# KiCad board Soft_Power_Switch_panelized.kicad_pcb (continued)
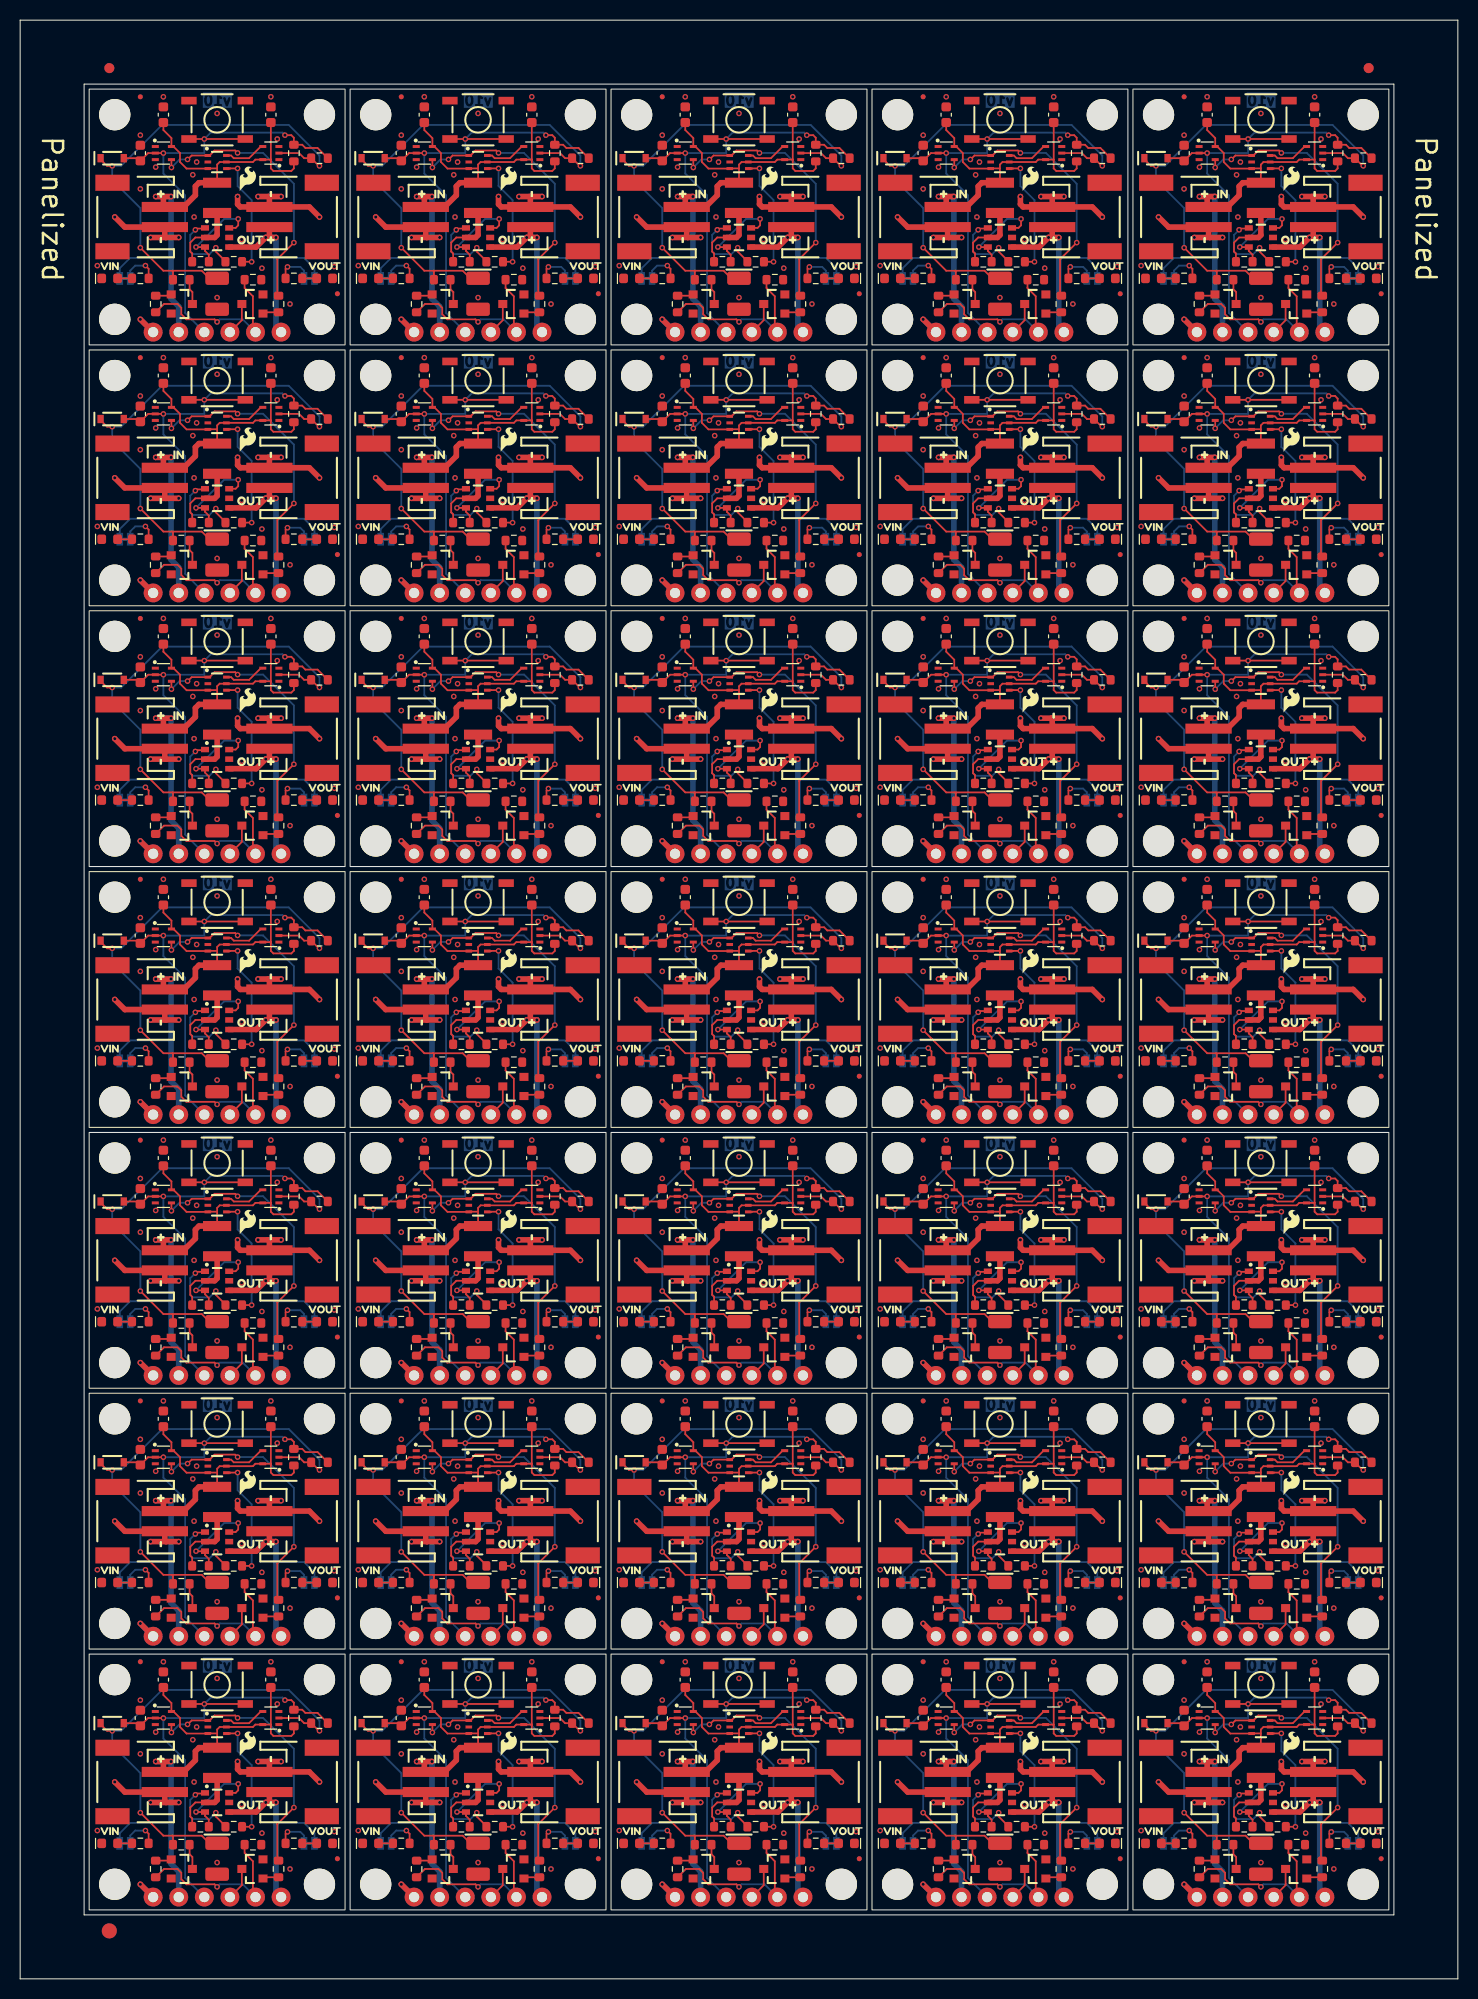
[diagram p0: board, top side]
## Routing (per net, layer and track width the routed paths; a pad name or vN(x,y) marks a point on that pad's centre or on a via; arc(x,y) is an arc through that point) (continued)
  vias: v1(7.66,170.12) v1(7.66,144.22) v1(7.66,118.32) v1(7.66,92.42) v1(7.66,66.52) v1(7.66,40.62) v1(7.66,14.72) v1(11.93,183.08) v1(11.93,177.74) v1(11.93,157.18) v1(11.93,151.84) v1(11.93,131.28) v1(11.93,125.94) v1(11.93,105.38) v1(11.93,100.04) v1(11.93,79.48) v1(11.93,74.14) v1(11.93,53.58) v1(11.93,48.24) v1(11.93,27.68) v1(11.93,22.34) v1(13.45,179.9) v1(13.45,154) v1(13.45,128.1) v1(13.45,102.2) v1(13.45,76.3) v1(13.45,50.4) v1(13.45,24.5) v1(14.22,186.89) v1(14.22,160.99) v1(14.22,135.09) v1(14.22,109.19) v1(14.22,83.29) v1(14.22,57.39) v1(14.22,31.49) v1(17.14,179.14) v1(17.14,153.24) v1(17.14,127.34) v1(17.14,101.44) v1(17.14,75.54) v1(17.14,49.64) v1(17.14,23.74) v1(17.26,174.95) v1(17.26,149.05) v1(17.26,123.15) v1(17.26,97.25) v1(17.26,71.35) v1(17.26,45.45) v1(17.26,19.55) v1(17.52,180.41) v1(17.52,154.51) v1(17.52,128.61) v1(17.52,102.71) v1(17.52,76.81) v1(17.52,50.91) v1(17.52,25.01) v1(19.55,185.24) v1(19.55,166.95) v1(19.55,159.34) v1(19.55,141.05) v1(19.55,133.44) v1(19.55,115.15) v1(19.55,107.54) v1(19.55,89.25) v1(19.55,81.64) v1(19.55,63.35) v1(19.55,55.74) v1(19.55,37.45) v1(19.55,29.84) v1(19.55,11.55) v1(21.99,172.71) v1(21.99,146.81) v1(21.99,120.91) v1(21.99,95.01) v1(21.99,69.11) v1(21.99,43.21) v1(21.99,17.31) v1(24,169.87) v1(24,143.97) v1(24,118.07) v1(24,92.17) v1(24,66.27) v1(24,40.37) v1(24,14.47) v1(24.88,186.89) v1(24.88,160.99) v1(24.88,135.09) v1(24.88,109.19) v1(24.88,83.29) v1(24.88,57.39) v1(24.88,31.49) v1(25.52,182.7) v1(25.52,156.8) v1(25.52,130.9) v1(25.52,105) v1(25.52,79.1) v1(25.52,53.2) v1(25.52,27.3) v1(26.79,166.31) v1(26.79,140.41) v1(26.79,114.51) v1(26.79,88.61) v1(26.79,62.71) v1(26.79,36.81) v1(26.79,10.91) v1(31.18,170.02) v1(31.18,144.12) v1(31.18,118.22) v1(31.18,92.32) v1(31.18,66.42) v1(31.18,40.52) v1(31.18,14.62) v1(33.56,170.12) v1(33.56,144.22) v1(33.56,118.32) v1(33.56,92.42) v1(33.56,66.52) v1(33.56,40.62) v1(33.56,14.72) v1(37.83,183.08) v1(37.83,177.74) v1(37.83,157.18) v1(37.83,151.84) v1(37.83,131.28) v1(37.83,125.94) v1(37.83,105.38) v1(37.83,100.04) v1(37.83,79.48) v1(37.83,74.14) v1(37.83,53.58) v1(37.83,48.24) v1(37.83,27.68) v1(37.83,22.34) v1(39.35,179.9) v1(39.35,154) v1(39.35,128.1) v1(39.35,102.2) v1(39.35,76.3) v1(39.35,50.4) v1(39.35,24.5) v1(40.12,186.89) v1(40.12,160.99) v1(40.12,135.09) v1(40.12,109.19) v1(40.12,83.29) v1(40.12,57.39) v1(40.12,31.49) v1(43.04,179.14) v1(43.04,153.24) v1(43.04,127.34) v1(43.04,101.44) v1(43.04,75.54) v1(43.04,49.64) v1(43.04,23.74) v1(43.16,174.95) v1(43.16,149.05) v1(43.16,123.15) v1(43.16,97.25) v1(43.16,71.35) v1(43.16,45.45) v1(43.16,19.55) v1(43.42,180.41) v1(43.42,154.51) v1(43.42,128.61) v1(43.42,102.71) v1(43.42,76.81) v1(43.42,50.91) v1(43.42,25.01) v1(45.45,185.24) v1(45.45,166.95) v1(45.45,159.34) v1(45.45,141.05) v1(45.45,133.44) v1(45.45,115.15) v1(45.45,107.54) v1(45.45,89.25) v1(45.45,81.64) v1(45.45,63.35) v1(45.45,55.74) v1(45.45,37.45) v1(45.45,29.84) v1(45.45,11.55) v1(47.89,172.71) v1(47.89,146.81) v1(47.89,120.91) v1(47.89,95.01) v1(47.89,69.11) v1(47.89,43.21) v1(47.89,17.31) v1(49.9,169.87) v1(49.9,143.97) v1(49.9,118.07) v1(49.9,92.17) v1(49.9,66.27) v1(49.9,40.37) v1(49.9,14.47) v1(50.78,186.89) v1(50.78,160.99) v1(50.78,135.09) v1(50.78,109.19) v1(50.78,83.29) v1(50.78,57.39) v1(50.78,31.49) v1(51.42,182.7) v1(51.42,156.8) v1(51.42,130.9) v1(51.42,105) v1(51.42,79.1) v1(51.42,53.2) v1(51.42,27.3) v1(52.69,166.31) v1(52.69,140.41) v1(52.69,114.51) v1(52.69,88.61) v1(52.69,62.71) v1(52.69,36.81) v1(52.69,10.91) v1(57.08,170.02) v1(57.08,144.12) v1(57.08,118.22) v1(57.08,92.32) v1(57.08,66.42) v1(57.08,40.52) v1(57.08,14.62) v1(59.46,170.12) v1(59.46,144.22) v1(59.46,118.32) v1(59.46,92.42) v1(59.46,66.52) v1(59.46,40.62) v1(59.46,14.72) v1(63.73,183.08) v1(63.73,177.74) v1(63.73,157.18) v1(63.73,151.84) v1(63.73,131.28) v1(63.73,125.94) v1(63.73,105.38) v1(63.73,100.04) v1(63.73,79.48) v1(63.73,74.14) v1(63.73,53.58) v1(63.73,48.24) v1(63.73,27.68) v1(63.73,22.34) v1(65.25,179.9) v1(65.25,154) v1(65.25,128.1) v1(65.25,102.2) v1(65.25,76.3) v1(65.25,50.4) v1(65.25,24.5) v1(66.02,186.89) v1(66.02,160.99) v1(66.02,135.09) v1(66.02,109.19) v1(66.02,83.29) v1(66.02,57.39) v1(66.02,31.49) v1(68.94,179.14) v1(68.94,153.24) v1(68.94,127.34) v1(68.94,101.44) v1(68.94,75.54) v1(68.94,49.64) v1(68.94,23.74) v1(69.06,174.95) v1(69.06,149.05) v1(69.06,123.15) v1(69.06,97.25) v1(69.06,71.35) v1(69.06,45.45) v1(69.06,19.55) v1(69.32,180.41) v1(69.32,154.51) v1(69.32,128.61) v1(69.32,102.71) v1(69.32,76.81) v1(69.32,50.91) v1(69.32,25.01) v1(71.35,185.24) v1(71.35,166.95) v1(71.35,159.34) v1(71.35,141.05) v1(71.35,133.44) v1(71.35,115.15) v1(71.35,107.54) v1(71.35,89.25) v1(71.35,81.64) v1(71.35,63.35) v1(71.35,55.74) v1(71.35,37.45) v1(71.35,29.84) v1(71.35,11.55) v1(73.79,172.71) v1(73.79,146.81) v1(73.79,120.91) v1(73.79,95.01) v1(73.79,69.11) v1(73.79,43.21) v1(73.79,17.31) v1(75.79,169.87) v1(75.79,143.97) v1(75.79,118.07) v1(75.79,92.17) v1(75.79,66.27) v1(75.79,40.37) v1(75.79,14.47) v1(76.68,186.89) v1(76.68,160.99) v1(76.68,135.09) v1(76.68,109.19) v1(76.68,83.29) v1(76.68,57.39) v1(76.68,31.49) v1(77.32,182.7) v1(77.32,156.8) v1(77.32,130.9) v1(77.32,105) v1(77.32,79.1) v1(77.32,53.2) v1(77.32,27.3) v1(78.59,166.31) v1(78.59,140.41) v1(78.59,114.51) v1(78.59,88.61) v1(78.59,62.71) v1(78.59,36.81) v1(78.59,10.91) v1(82.98,170.02) v1(82.98,144.12) v1(82.98,118.22) v1(82.98,92.32) v1(82.98,66.42) v1(82.98,40.52) v1(82.98,14.62) v1(85.36,170.12) v1(85.36,144.22) v1(85.36,118.32) v1(85.36,92.42) v1(85.36,66.52) v1(85.36,40.62) v1(85.36,14.72) v1(89.63,183.08) v1(89.63,177.74) v1(89.63,157.18) v1(89.63,151.84) v1(89.63,131.28) v1(89.63,125.94) v1(89.63,105.38) v1(89.63,100.04) v1(89.63,79.48) v1(89.63,74.14) v1(89.63,53.58) v1(89.63,48.24) v1(89.63,27.68) v1(89.63,22.34) v1(91.15,179.9) v1(91.15,154) v1(91.15,128.1) v1(91.15,102.2) v1(91.15,76.3) v1(91.15,50.4) v1(91.15,24.5) v1(91.92,186.89) v1(91.92,160.99) v1(91.92,135.09) v1(91.92,109.19) v1(91.92,83.29) v1(91.92,57.39) v1(91.92,31.49) v1(94.84,179.14) v1(94.84,153.24) v1(94.84,127.34) v1(94.84,101.44) v1(94.84,75.54) v1(94.84,49.64) v1(94.84,23.74) v1(94.96,174.95) v1(94.96,149.05) v1(94.96,123.15) v1(94.96,97.25) v1(94.96,71.35) v1(94.96,45.45) v1(94.96,19.55) v1(95.22,180.41) v1(95.22,154.51) v1(95.22,128.61) v1(95.22,102.71) v1(95.22,76.81) v1(95.22,50.91) v1(95.22,25.01) v1(97.25,185.24) v1(97.25,166.95) v1(97.25,159.34) v1(97.25,141.05) v1(97.25,133.44) v1(97.25,115.15) v1(97.25,107.54) v1(97.25,89.25) v1(97.25,81.64) v1(97.25,63.35) v1(97.25,55.74) v1(97.25,37.45) v1(97.25,29.84) v1(97.25,11.55) v1(99.69,172.71) v1(99.69,146.81) v1(99.69,120.91) v1(99.69,95.01) v1(99.69,69.11) v1(99.69,43.21) v1(99.69,17.31) v1(101.69,169.87) v1(101.69,143.97) v1(101.69,118.07) v1(101.69,92.17) v1(101.69,66.27) v1(101.69,40.37) v1(101.69,14.47) v1(102.58,186.89) v1(102.58,160.99) v1(102.58,135.09) v1(102.58,109.19) v1(102.58,83.29) v1(102.58,57.39) v1(102.58,31.49) v1(103.22,182.7) v1(103.22,156.8) v1(103.22,130.9) v1(103.22,105) v1(103.22,79.1) v1(103.22,53.2) v1(103.22,27.3) v1(104.49,166.31) v1(104.49,140.41) v1(104.49,114.51) v1(104.49,88.61) v1(104.49,62.71) v1(104.49,36.81) v1(104.49,10.91) v1(108.88,170.02) v1(108.88,144.12) v1(108.88,118.22) v1(108.88,92.32) v1(108.88,66.42) v1(108.88,40.52) v1(108.88,14.62) v1(111.26,170.12) v1(111.26,144.22) v1(111.26,118.32) v1(111.26,92.42) v1(111.26,66.52) v1(111.26,40.62) v1(111.26,14.72) v1(115.53,183.08) v1(115.53,177.74) v1(115.53,157.18) v1(115.53,151.84) v1(115.53,131.28) v1(115.53,125.94) v1(115.53,105.38) v1(115.53,100.04) v1(115.53,79.48) v1(115.53,74.14) v1(115.53,53.58) v1(115.53,48.24) v1(115.53,27.68) v1(115.53,22.34) v1(117.05,179.9) v1(117.05,154) v1(117.05,128.1) v1(117.05,102.2) v1(117.05,76.3) v1(117.05,50.4) v1(117.05,24.5) v1(117.82,186.89) v1(117.82,160.99) v1(117.82,135.09) v1(117.82,109.19) v1(117.82,83.29) v1(117.82,57.39) v1(117.82,31.49) v1(120.74,179.14) v1(120.74,153.24) v1(120.74,127.34) v1(120.74,101.44) v1(120.74,75.54) v1(120.74,49.64) v1(120.74,23.74) v1(120.86,174.95) v1(120.86,149.05) v1(120.86,123.15) v1(120.86,97.25) v1(120.86,71.35) v1(120.86,45.45) v1(120.86,19.55) v1(121.12,180.41) v1(121.12,154.51) v1(121.12,128.61) v1(121.12,102.71) v1(121.12,76.81) v1(121.12,50.91) v1(121.12,25.01) v1(123.15,185.24) v1(123.15,166.95) v1(123.15,159.34) v1(123.15,141.05) v1(123.15,133.44) v1(123.15,115.15) v1(123.15,107.54) v1(123.15,89.25) v1(123.15,81.64) v1(123.15,63.35) v1(123.15,55.74) v1(123.15,37.45) v1(123.15,29.84) v1(123.15,11.55) v1(125.59,172.71) v1(125.59,146.81) v1(125.59,120.91) v1(125.59,95.01) v1(125.59,69.11) v1(125.59,43.21) v1(125.59,17.31) v1(127.59,169.87) v1(127.59,143.97) v1(127.59,118.07) v1(127.59,92.17) v1(127.59,66.27) v1(127.59,40.37) v1(127.59,14.47) v1(128.48,186.89) v1(128.48,160.99) v1(128.48,135.09) v1(128.48,109.19) v1(128.48,83.29) v1(128.48,57.39) v1(128.48,31.49) v1(129.12,182.7) v1(129.12,156.8) v1(129.12,130.9) v1(129.12,105) v1(129.12,79.1) v1(129.12,53.2) v1(129.12,27.3) v1(130.39,166.31) v1(130.39,140.41) v1(130.39,114.51) v1(130.39,88.61) v1(130.39,62.71) v1(130.39,36.81) v1(130.39,10.91) v1(134.78,170.02) v1(134.78,144.12) v1(134.78,118.22) v1(134.78,92.32) v1(134.78,66.42) v1(134.78,40.52) v1(134.78,14.62)
VIN: length 1922.6
  Top w0.178: 50.78,102.97 50.77,102.95 U3#21.5 49.25,102.95 49.01,102.71 U4#9.5 45.7,102.71 45.45,102.46 F1#17.2 ; 50.78,102.97 50.78,102.08 51.04,101.82 52.82,101.82 53.07,102.08 R1#22.1 ; 50.78,102.97 50.78,106.64 ; 102.58,77.06 102.57,77.05 U3#32.5 101.04,77.05 100.81,76.81 U4#33.5 97.5,76.81 97.25,76.56 F1#7.2 ; 102.58,77.06 102.58,76.18 102.84,75.92 104.62,75.92 104.87,76.18 R1#24.1 ; 102.58,77.06 102.58,80.73 ; 97.25,127.98 96.34,127.98 U4#32.3 94.22,127.96 93.57,128.61 93.57,129.5 92.92,130.15 U2#3.5 92.72,130.99 91.92,131.79 C3#23.1 ; 123.15,24.38 122.25,24.38 122.23,24.36 120.12,24.36 119.47,25.01 119.47,25.9 118.82,26.55 U2#25.5 118.62,27.39 117.82,28.19 C3#27.1 ; 76.68,154.76 C4#10.1 ; 76.68,154.76 76.67,154.75 U3#14.5 75.15,154.75 74.91,154.51 U4#28.5 71.6,154.51 71.35,154.26 F1#32.2 ; 76.68,154.76 76.68,153.88 76.94,153.62 78.72,153.62 78.97,153.88 R1#33.1 ; 123.15,127.98 122.25,127.98 U4#21.3 120.12,127.96 119.47,128.61 119.47,129.5 118.82,130.15 U2#28.5 118.62,130.99 117.82,131.79 C3.1 ; 117.82,80.73 117.82,79.99 118.62,79.19 U2#4.5 118.82,78.35 119.47,77.7 119.47,76.81 120.12,76.16 U4#7.3 122.25,76.18 123.15,76.18 ; R1#2.1 27.17,179.78 26.92,179.52 25.14,179.52 24.88,179.78 24.88,180.66 ; 24.88,154.76 24.88,153.88 25.14,153.62 26.92,153.62 27.17,153.88 R1#21.1 ; 24.88,154.76 24.87,154.75 U3#10.5 23.34,154.75 23.11,154.51 U4#15.5 19.8,154.51 19.55,154.26 F1#35.2 ; 24.88,154.76 C4#25.1 ; F1#22.2 19.55,128.36 19.8,128.61 U4#20.5 23.11,128.61 23.34,128.85 U3#23.5 24.87,128.85 24.88,128.87 ; R1#31.1 78.97,127.98 78.72,127.72 76.94,127.72 76.68,127.98 76.68,128.87 ; 128.48,128.87 C4#23.1 ; 128.48,128.87 128.47,128.85 U3#26.5 126.94,128.85 126.71,128.61 U4#21.5 123.4,128.61 123.15,128.36 F1#31.2 ; 128.48,128.87 128.48,127.98 128.74,127.72 130.52,127.72 130.77,127.98 R1#11.1 ; 102.58,25.27 C4#7.1 ; 102.58,25.27 102.58,24.38 102.84,24.12 104.62,24.12 104.87,24.38 R1#16.1 ; 102.58,25.27 102.57,25.25 U3#16.5 101.04,25.25 100.81,25.01 U4#5.5 97.5,25.01 97.25,24.76 F1#27.2 ; R1#15.1 78.97,50.28 78.72,50.02 76.94,50.02 76.68,50.28 76.68,51.17 ; 128.48,102.97 128.47,102.95 U3#9.5 126.94,102.95 126.71,102.71 U4#4.5 123.4,102.71 123.15,102.46 F1#34.2 ; 128.48,102.97 128.48,102.08 128.74,101.82 130.52,101.82 130.77,102.08 R1#12.1 ; 128.48,102.97 128.48,106.64 ; C3#11.1 91.92,54.09 92.72,53.29 U2#18.5 92.92,52.45 93.57,51.8 93.57,50.91 94.22,50.26 U4#18.3 96.34,50.28 97.25,50.28 ; 76.68,180.66 C4#18.1 ; 76.68,180.66 76.68,179.78 76.94,179.52 78.72,179.52 78.97,179.78 R1#23.1 ; 76.68,180.66 76.67,180.65 U3#13.5 75.15,180.65 74.91,180.41 U4#6.5 71.6,180.41 71.35,180.16 F1#8.2 ; 128.48,25.27 128.47,25.25 U3#30.5 126.94,25.25 126.71,25.01 U4#8.5 123.4,25.01 123.15,24.76 F1#11.2 ; 128.48,25.27 C4#35.1 ; 128.48,25.27 128.48,24.38 128.74,24.12 130.52,24.12 130.77,24.38 R1#18.1 ; 50.78,51.17 50.77,51.15 U3#5.5 49.25,51.15 49.01,50.91 U4#17.5 45.7,50.91 45.45,50.66 F1#15.2 ; 50.78,51.17 50.78,50.28 51.04,50.02 52.82,50.02 53.07,50.28 R1#13.1 ; 50.78,51.17 C4#4.1 ; F1#25.2 19.55,180.16 19.8,180.41 U4#30.5 23.11,180.41 23.34,180.65 U3#29.5 24.87,180.65 24.88,180.66 ; 50.78,77.06 50.78,76.18 51.04,75.92 52.82,75.92 53.07,76.18 R1#35.1 ; 50.78,77.06 50.78,80.73 ; 50.78,77.06 50.77,77.05 U3#27.5 49.25,77.05 49.01,76.81 U4#26.5 45.7,76.81 45.45,76.56 F1#3.2 ; C3#34.1 40.12,54.09 40.92,53.29 U2#34.5 41.12,52.45 41.77,51.8 41.77,50.91 42.42,50.26 U4#17.3 44.54,50.28 45.45,50.28 ; 76.68,51.17 76.67,51.15 U3#7.5 75.15,51.15 74.91,50.91 U4.5 71.6,50.91 71.35,50.66 F1#26.2 ; 76.68,51.17 C4.1 ; R1#6.1 78.97,102.08 78.72,101.82 76.94,101.82 76.68,102.08 76.68,102.97 ; F1#10.2 123.15,154.26 123.4,154.51 U4#12.5 126.71,154.51 126.94,154.75 U3#11.5 128.47,154.75 128.48,154.76 ; 102.58,128.87 102.58,127.98 102.84,127.72 104.62,127.72 104.87,127.98 R1#19.1 ; 102.58,128.87 C4#21.1 ; 102.58,128.87 102.57,128.85 U3#6.5 101.04,128.85 100.81,128.61 U4#32.5 97.5,128.61 97.25,128.36 F1#30.2 ; F1#18.2 71.35,76.56 71.6,76.81 U4#16.5 74.91,76.81 75.15,77.05 U3#15.5 76.67,77.05 76.68,77.06 ; 24.88,128.87 24.88,127.98 25.14,127.72 26.92,127.72 27.17,127.98 R1#8.1 ; 24.88,128.87 C4#26.1 ; C3#32.1 117.82,157.69 118.62,156.89 U2#6.5 118.82,156.05 119.47,155.4 119.47,154.51 120.12,153.86 U4#12.3 122.25,153.88 123.15,153.88 ; 76.68,102.97 76.67,102.95 U3#33.5 75.15,102.95 74.91,102.71 U4#34.5 71.6,102.71 71.35,102.46 F1#5.2 ; 76.68,102.97 76.68,106.64 ; R1#32.1 53.07,179.78 52.82,179.52 51.04,179.52 50.78,179.78 50.78,180.66 ; 97.25,102.08 96.34,102.08 U4#23.3 94.22,102.06 93.57,102.71 93.57,103.6 92.92,104.25 U2#15.5 92.72,105.09 91.92,105.89 91.92,106.64 ; F1#12.2 97.25,102.46 97.5,102.71 U4#23.5 100.81,102.71 101.04,102.95 U3#17.5 102.57,102.95 102.58,102.97 ; F1#24.2 45.45,24.76 45.7,25.01 U4#29.5 49.01,25.01 49.25,25.25 U3#22.5 50.77,25.25 50.78,25.27 ; C3#7.1 91.92,183.59 92.72,182.79 U2#27.5 92.92,181.95 93.57,181.3 93.57,180.41 94.22,179.76 U4#3.3 96.34,179.78 97.25,179.78 ; 76.68,25.27 C4#33.1 ; 76.68,25.27 76.68,24.38 76.94,24.12 78.72,24.12 78.97,24.38 R1#4.1 ; 76.68,25.27 76.67,25.25 U3#18.5 75.15,25.25 74.91,25.01 U4#14.5 71.6,25.01 71.35,24.76 F1#6.2 ; F1#28.2 97.25,50.66 97.5,50.91 U4#18.5 100.81,50.91 101.04,51.15 U3#12.5 102.57,51.15 102.58,51.17 ; 128.48,51.17 C4#27.1 ; 128.48,51.17 128.48,50.28 128.74,50.02 130.52,50.02 130.77,50.28 R1#9.1 ; 128.48,51.17 128.47,51.15 U3#24.5 126.94,51.15 126.71,50.91 U4#2.5 123.4,50.91 123.15,50.66 F1#13.2 ; 128.48,77.06 128.48,76.18 128.74,75.92 130.52,75.92 130.77,76.18 R1#7.1 ; 128.48,77.06 128.47,77.05 U3#28.5 126.94,77.05 126.71,76.81 U4#7.5 123.4,76.81 123.15,76.56 F1#4.2 ; 128.48,77.06 128.48,80.73 ; C3#10.1 14.22,54.09 15.02,53.29 U2#8.5 15.22,52.45 15.87,51.8 15.87,50.91 16.52,50.26 U4#25.3 18.64,50.28 19.55,50.28 ; F1#9.2 45.45,154.26 45.7,154.51 U4#11.5 49.01,154.51 49.25,154.75 U3#34.5 50.77,154.75 50.78,154.76 ; F1#20.2 45.45,180.16 45.7,180.41 U4#31.5 49.01,180.41 49.25,180.65 U3#35.5 50.77,180.65 50.78,180.66 ; C3#25.1 117.82,54.09 118.62,53.29 U2#2.5 118.82,52.45 119.47,51.8 119.47,50.91 120.12,50.26 U4#2.3 122.25,50.28 123.15,50.28 ; 76.68,128.87 C4#3.1 ; 76.68,128.87 76.67,128.85 U3#2.5 75.15,128.85 74.91,128.61 U4#27.5 71.6,128.61 71.35,128.36 F1#19.2 ; 24.88,77.06 24.88,76.18 25.14,75.92 26.92,75.92 27.17,76.18 R1#29.1 ; 24.88,77.06 24.87,77.05 U3#31.5 23.34,77.05 23.11,76.81 U4#10.5 19.8,76.81 19.55,76.56 F1#29.2 ; 24.88,77.06 24.88,80.73 ; 102.58,102.97 102.58,102.08 102.84,101.82 104.62,101.82 104.87,102.08 R1#27.1 ; 102.58,102.97 102.58,106.64 ; 128.48,154.76 128.48,153.88 128.74,153.62 130.52,153.62 130.77,153.88 R1#17.1 ; 128.48,154.76 C4#22.1 ; 50.78,180.66 C4#8.1 ; 40.12,80.73 40.12,79.99 40.92,79.19 U2#10.5 41.12,78.35 41.77,77.7 41.77,76.81 42.42,76.16 U4#26.3 44.54,76.18 45.45,76.18 ; R1#3.1 27.17,24.38 26.92,24.12 25.14,24.12 24.88,24.38 24.88,25.27 ; R1#30.1 53.07,24.38 52.82,24.12 51.04,24.12 50.78,24.38 50.78,25.27 ; 71.35,24.38 70.44,24.38 70.43,24.36 68.32,24.36 67.67,25.01 67.67,25.9 67.02,26.55 U2#11.5 66.82,27.39 66.02,28.19 C3#20.1 ; 66.02,80.73 66.02,79.99 66.82,79.19 U2#19.5 67.02,78.35 67.67,77.7 67.67,76.81 68.32,76.16 U4#16.3 70.44,76.18 71.35,76.18 ; 71.35,127.98 70.44,127.98 U4#27.3 68.32,127.96 67.67,128.61 67.67,129.5 67.02,130.15 U2#21.5 66.82,130.99 66.02,131.79 C3#14.1 ; C3#31.1 14.22,183.59 15.02,182.79 U2#5.5 15.22,181.95 15.87,181.3 15.87,180.41 16.52,179.76 U4#30.3 18.64,179.78 19.55,179.78 ; C3#5.1 66.02,157.69 66.82,156.89 U2#24.5 67.02,156.05 67.67,155.4 67.67,154.51 68.32,153.86 U4#28.3 70.44,153.88 71.35,153.88 ; 24.88,51.17 24.87,51.15 U3#8.5 23.34,51.15 23.11,50.91 U4#25.5 19.8,50.91 19.55,50.66 F1#21.2 ; 24.88,51.17 24.88,50.28 25.14,50.02 26.92,50.02 27.17,50.28 R1#25.1 ; 24.88,51.17 C4#9.1 ; 19.55,153.88 18.64,153.88 U4#15.3 16.52,153.86 15.87,154.51 15.87,155.4 15.22,156.05 U2#12.5 15.02,156.89 14.22,157.69 C3#18.1 ; 123.15,179.78 122.25,179.78 U4#35.3 120.12,179.76 119.47,180.41 119.47,181.3 118.82,181.95 U2#20.5 118.62,182.79 117.82,183.59 C3#4.1 ; 19.55,127.98 18.64,127.98 U4#20.3 16.52,127.96 15.87,128.61 15.87,129.5 15.22,130.15 U2#33.5 15.02,130.99 14.22,131.79 C3#13.1 ; 66.02,106.64 66.02,105.89 66.82,105.09 U2#13.5 67.02,104.25 67.67,103.6 67.67,102.71 68.32,102.06 U4#34.3 70.44,102.08 71.35,102.08 ; 50.78,154.76 C4#13.1 ; 50.78,154.76 50.78,153.88 51.04,153.62 52.82,153.62 53.07,153.88 R1#34.1 ; 102.58,154.76 C4#30.1 ; 102.58,154.76 102.58,153.88 102.84,153.62 104.62,153.62 104.87,153.88 R1#14.1 ; 102.58,154.76 102.57,154.75 U3#19.5 101.04,154.75 100.81,154.51 U4#19.5 97.5,154.51 97.25,154.26 F1#16.2 ; R1#20.1 130.77,179.78 130.52,179.52 128.74,179.52 128.48,179.78 128.48,180.66 ; C3#24.1 66.02,54.09 66.82,53.29 U2#30.5 67.02,52.45 67.67,51.8 67.67,50.91 68.32,50.26 U4.3 70.44,50.28 71.35,50.28 ; 102.58,51.17 C4#12.1 ; 102.58,51.17 102.58,50.28 102.84,50.02 104.62,50.02 104.87,50.28 R1#10.1 ; 97.25,24.38 96.34,24.38 96.33,24.36 94.22,24.36 93.57,25.01 93.57,25.9 92.92,26.55 U2#7.5 92.72,27.39 91.92,28.19 C3#3.1 ; 50.78,25.27 C4#24.1 ; 24.88,25.27 24.87,25.25 U3#25.5 23.34,25.25 23.11,25.01 U4#24.5 19.8,25.01 19.55,24.76 F1#33.2 ; 24.88,25.27 C4#11.1 ; 97.25,76.18 96.34,76.18 U4#33.3 94.22,76.16 93.57,76.81 93.57,77.7 92.92,78.35 U2#9.5 92.72,79.19 91.92,79.99 91.92,80.73 ; 123.15,102.08 122.25,102.08 U4#4.3 120.12,102.06 119.47,102.71 119.47,103.6 118.82,104.25 U2#22.5 118.62,105.09 117.82,105.89 117.82,106.64 ; C3#35.1 66.02,183.59 66.82,182.79 U2#16.5 67.02,181.95 67.67,181.3 67.67,180.41 68.32,179.76 U4#6.3 70.44,179.78 71.35,179.78 ; 45.45,24.38 44.54,24.38 44.53,24.36 42.42,24.36 41.77,25.01 41.77,25.9 41.12,26.55 U2#14.5 40.92,27.39 40.12,28.19 C3#29.1 ; 45.45,153.88 44.54,153.88 U4#11.3 42.42,153.86 41.77,154.51 41.77,155.4 41.12,156.05 U2#29.5 40.92,156.89 40.12,157.69 C3#28.1 ; 45.45,179.78 44.54,179.78 U4#31.3 42.42,179.76 41.77,180.41 41.77,181.3 41.12,181.95 U2#32.5 40.92,182.79 40.12,183.59 C3#9.1 ; 19.55,24.38 18.64,24.38 18.63,24.36 16.52,24.36 15.87,25.01 15.87,25.9 15.22,26.55 U2.5 15.02,27.39 14.22,28.19 C3#33.1 ; 40.12,106.64 40.12,105.89 40.92,105.09 U2#17.5 41.12,104.25 41.77,103.6 41.77,102.71 42.42,102.06 U4#9.3 44.54,102.08 45.45,102.08 ; F1.2 45.45,128.36 45.7,128.61 U4#22.5 49.01,128.61 49.25,128.85 U3.5 50.77,128.85 50.78,128.87 ; 24.88,102.97 24.87,102.95 U3#3.5 23.34,102.95 23.11,102.71 U4#13.5 19.8,102.71 19.55,102.46 F1#2.2 ; 24.88,102.97 24.88,102.08 25.14,101.82 26.92,101.82 27.17,102.08 R1#28.1 ; 24.88,102.97 24.88,106.64 ; 19.55,102.08 18.64,102.08 U4#13.3 16.52,102.06 15.87,102.71 15.87,103.6 15.22,104.25 U2#31.5 15.02,105.09 14.22,105.89 14.22,106.64 ; 76.68,77.06 76.68,80.73 ; 76.68,77.06 76.68,76.18 76.94,75.92 78.72,75.92 78.97,76.18 R1#26.1 ; R1.1 53.07,127.98 52.82,127.72 51.04,127.72 50.78,127.98 50.78,128.87 ; C3#30.1 91.92,157.69 92.72,156.89 U2#23.5 92.92,156.05 93.57,155.4 93.57,154.51 94.22,153.86 U4#19.3 96.34,153.88 97.25,153.88 ; F1#23.2 97.25,180.16 97.5,180.41 U4#3.5 100.81,180.41 101.04,180.65 U3#4.5 102.57,180.65 102.58,180.66 ; 24.88,180.66 C4#29.1 ; R1#5.1 104.87,179.78 104.62,179.52 102.84,179.52 102.58,179.78 102.58,180.66 ; 50.78,128.87 C4#20.1 ; 128.48,180.66 128.47,180.65 U3#20.5 126.94,180.65 126.71,180.41 U4#35.5 123.4,180.41 123.15,180.16 F1#14.2 ; 128.48,180.66 C4#31.1 ; 102.58,180.66 C4#16.1 ; 45.45,127.98 44.54,127.98 U4#22.3 42.42,127.96 41.77,128.61 41.77,129.5 41.12,130.15 U2#35.5 40.92,130.99 40.12,131.79 C3#2.1 ; 14.22,80.73 14.22,79.99 15.02,79.19 U2#26.5 15.22,78.35 15.87,77.7 15.87,76.81 16.52,76.16 U4#10.3 18.64,76.18 19.55,76.18
  Top w0.559: F1#5.2 69.55,100.66 69.19,100.3 69.19,99.41 68.03,98.25 J1#23.2 66.02,98.39 66.02,99.28 ; 91.92,125.18 v1(92.68,125.18) ; 91.92,125.18 v1(91.15,125.18) ; 91.92,125.18 91.92,124.29 J1#3.2 93.93,124.15 95.09,125.31 95.09,126.2 95.45,126.56 F1#30.2 ; 14.22,21.58 14.22,20.69 J1#21.2 16.23,20.55 17.39,21.71 17.39,22.6 17.75,22.95 F1#33.2 ; 14.22,21.58 v1(13.45,21.58) ; 14.22,21.58 v1(14.98,21.58) ; F1#16.2 95.45,152.46 95.09,152.1 95.09,151.21 93.93,150.05 J1#28.2 91.92,150.19 91.92,151.08 ; 14.22,99.28 v1(14.98,99.28) ; 14.22,99.28 v1(13.45,99.28) ; 14.22,99.28 14.22,98.39 J1#5.2 16.23,98.25 17.39,99.41 17.39,100.3 17.75,100.66 F1#2.2 ; F1#18.2 69.55,74.75 69.19,74.4 69.19,73.51 68.03,72.35 J1.2 66.02,72.49 66.02,73.38 ; F1#9.2 43.65,152.46 43.29,152.1 43.29,151.21 42.13,150.05 J1#4.2 40.12,150.19 40.12,151.08 ; 14.22,125.18 v1(14.98,125.18) ; 14.22,125.18 v1(13.45,125.18) ; 14.22,125.18 14.22,124.29 J1#30.2 16.23,124.15 17.39,125.31 17.39,126.2 17.75,126.56 F1#22.2 ; F1#26.2 69.55,48.86 69.19,48.5 69.19,47.61 68.03,46.45 J1#18.2 66.02,46.59 66.02,47.48 ; 40.12,125.18 40.12,124.29 J1#19.2 42.13,124.15 43.29,125.31 43.29,126.2 43.65,126.56 F1.2 ; 40.12,125.18 v1(40.88,125.18) ; 40.12,125.18 v1(39.35,125.18) ; 91.92,99.28 v1(92.68,99.28) ; 91.92,99.28 v1(91.15,99.28) ; 91.92,99.28 91.92,98.39 J1#35.2 93.93,98.25 95.09,99.41 95.09,100.3 95.45,100.66 F1#12.2 ; v1(65.25,125.18) 66.02,125.18 ; 66.02,125.18 66.02,124.29 J1#13.2 68.03,124.15 69.19,125.31 69.19,126.2 69.55,126.56 F1#19.2 ; 66.02,125.18 v1(66.78,125.18) ; F1#8.2 69.55,178.36 69.19,178 69.19,177.11 68.03,175.95 J1#17.2 66.02,176.09 66.02,176.98 ; v1(39.35,176.98) 40.12,176.98 ; 40.12,176.98 v1(40.88,176.98) ; 40.12,176.98 40.12,176.09 J1#29.2 42.13,175.95 43.29,177.11 43.29,178 43.65,178.36 F1#20.2 ; v1(117.05,176.98) 117.82,176.98 ; 117.82,176.98 v1(118.58,176.98) ; 117.82,176.98 117.82,176.09 J1#20.2 119.83,175.95 120.99,177.11 120.99,178 121.35,178.36 F1#14.2 ; v1(39.35,151.08) 40.12,151.08 ; 40.12,151.08 v1(40.88,151.08) ; 40.12,47.48 40.12,46.59 J1#11.2 42.13,46.45 43.29,47.61 43.29,48.5 43.65,48.86 F1#15.2 ; 40.12,47.48 v1(39.35,47.48) ; 40.12,47.48 v1(40.88,47.48) ; 117.82,47.48 117.82,46.59 J1#25.2 119.83,46.45 120.99,47.61 120.99,48.5 121.35,48.86 F1#13.2 ; 117.82,47.48 v1(117.05,47.48) ; 117.82,47.48 v1(118.58,47.48) ; v1(39.35,21.58) 40.12,21.58 ; 40.12,21.58 40.12,20.69 J1#22.2 42.13,20.55 43.29,21.71 43.29,22.6 43.65,22.95 F1#24.2 ; 40.12,21.58 v1(40.88,21.58) ; F1#6.2 69.55,22.95 69.19,22.6 69.19,21.71 68.03,20.55 J1#24.2 66.02,20.69 66.02,21.58 ; 66.02,151.08 v1(66.78,151.08) ; 66.02,151.08 66.02,150.19 J1#6.2 68.03,150.05 69.19,151.21 69.19,152.1 69.55,152.46 F1#32.2 ; 66.02,151.08 v1(65.25,151.08) ; 66.02,21.58 v1(66.78,21.58) ; 66.02,21.58 v1(65.25,21.58) ; 91.92,176.98 91.92,176.09 J1#32.2 93.93,175.95 95.09,177.11 95.09,178 95.45,178.36 F1#23.2 ; 91.92,176.98 v1(91.15,176.98) ; 91.92,176.98 v1(92.68,176.98) ; F1#31.2 121.35,126.56 120.99,126.2 120.99,125.31 119.83,124.15 J1#33.2 117.82,124.29 117.82,125.18 ; v1(91.15,47.48) 91.92,47.48 ; 91.92,47.48 91.92,46.59 J1#31.2 93.93,46.45 95.09,47.61 95.09,48.5 95.45,48.86 F1#28.2 ; 91.92,47.48 v1(92.68,47.48) ; 14.22,176.98 v1(14.98,176.98) ; 14.22,176.98 v1(13.45,176.98) ; 14.22,176.98 14.22,176.09 J1#2.2 16.23,175.95 17.39,177.11 17.39,178 17.75,178.36 F1#25.2 ; v1(13.45,47.48) 14.22,47.48 ; 14.22,47.48 14.22,46.59 J1#14.2 16.23,46.45 17.39,47.61 17.39,48.5 17.75,48.86 F1#21.2 ; 14.22,47.48 v1(14.98,47.48) ; v1(39.35,73.38) 40.12,73.38 ; 40.12,73.38 v1(40.88,73.38) ; 40.12,73.38 40.12,72.49 J1#12.2 42.13,72.35 43.29,73.51 43.29,74.4 43.65,74.75 F1#3.2 ; 91.92,73.38 91.92,72.49 J1#10.2 93.93,72.35 95.09,73.51 95.09,74.4 95.45,74.75 F1#7.2 ; 91.92,73.38 v1(91.15,73.38) ; 91.92,73.38 v1(92.68,73.38) ; 91.92,21.58 v1(92.68,21.58) ; 91.92,21.58 91.92,20.69 J1#27.2 93.93,20.55 95.09,21.71 95.09,22.6 95.45,22.95 F1#27.2 ; 91.92,21.58 v1(91.15,21.58) ; 117.82,151.08 v1(118.58,151.08) ; 117.82,151.08 v1(117.05,151.08) ; 117.82,151.08 117.82,150.19 J1#9.2 119.83,150.05 120.99,151.21 120.99,152.1 121.35,152.46 F1#10.2 ; v1(65.25,47.48) 66.02,47.48 ; 66.02,47.48 v1(66.78,47.48) ; 40.12,99.28 40.12,98.39 J1#8.2 42.13,98.25 43.29,99.41 43.29,100.3 43.65,100.66 F1#17.2 ; 40.12,99.28 v1(40.88,99.28) ; 40.12,99.28 v1(39.35,99.28) ; 91.92,151.08 v1(92.68,151.08) ; 91.92,151.08 v1(91.15,151.08) ; F1#4.2 121.35,74.75 120.99,74.4 120.99,73.51 119.83,72.35 J1#26.2 117.82,72.49 117.82,73.38 ; F1#35.2 17.75,152.46 17.39,152.1 17.39,151.21 16.23,150.05 J1#16.2 14.22,150.19 14.22,151.08 ; F1#11.2 121.35,22.95 120.99,22.6 120.99,21.71 119.83,20.55 J1#34.2 117.82,20.69 117.82,21.58 ; 117.82,73.38 v1(117.05,73.38) ; 117.82,73.38 v1(118.58,73.38) ; 66.02,176.98 v1(66.78,176.98) ; 66.02,176.98 v1(65.25,176.98) ; 14.22,73.38 v1(14.98,73.38) ; 14.22,73.38 v1(13.45,73.38) ; 14.22,73.38 14.22,72.49 J1#7.2 16.23,72.35 17.39,73.51 17.39,74.4 17.75,74.75 F1#29.2 ; 14.22,151.08 v1(13.45,151.08) ; 14.22,151.08 v1(14.98,151.08) ; v1(117.05,99.28) 117.82,99.28 ; 117.82,99.28 v1(118.58,99.28) ; 117.82,99.28 117.82,98.39 J1#15.2 119.83,98.25 120.99,99.41 120.99,100.3 121.35,100.66 F1#34.2 ; v1(117.05,21.58) 117.82,21.58 ; 117.82,21.58 v1(118.58,21.58) ; v1(65.25,99.28) 66.02,99.28 ; 66.02,99.28 v1(66.78,99.28) ; 66.02,73.38 v1(65.25,73.38) ; 66.02,73.38 v1(66.78,73.38) ; 117.82,125.18 v1(117.05,125.18) ; 117.82,125.18 v1(118.58,125.18)
  Bottom w0.178: 92.68,41.39 88.61,41.39 87.59,40.36 JP1#12.2 ; JP1#34.2 35.79,66.26 36.81,67.29 40.88,67.29 ; JP1#33.2 113.49,92.16 114.51,93.19 118.58,93.19 ; JP1#21.2 35.79,169.86 36.81,170.89 40.88,170.89 ; JP1#15.2 9.89,143.96 10.91,144.99 14.98,144.99 ; JP1#35.2 61.69,92.16 62.71,93.19 66.78,93.19 ; 92.68,119.09 88.61,119.09 87.59,118.06 JP1#27.2 ; 66.78,119.09 62.71,119.09 61.69,118.06 JP1#30.2 ; 14.98,93.19 10.91,93.19 9.89,92.16 JP1#16.2 ; 92.68,15.49 88.61,15.49 87.59,14.46 JP1#2.2 ; JP1.2 35.79,40.36 36.81,41.39 40.88,41.39 ; JP1#26.2 35.79,92.16 36.81,93.19 40.88,93.19 ; JP1#11.2 35.79,143.96 36.81,144.99 40.88,144.99 ; JP1#20.2 9.89,66.26 10.91,67.29 14.98,67.29 ; JP1#4.2 61.69,66.26 62.71,67.29 66.78,67.29 ; JP1#32.2 113.49,169.86 114.51,170.89 118.58,170.89 ; JP1#13.2 87.59,92.16 88.61,93.19 92.68,93.19 ; 118.58,119.09 114.51,119.09 113.49,118.06 JP1#19.2 ; JP1#14.2 113.49,14.46 114.51,15.49 118.58,15.49 ; JP1#3.2 9.89,169.86 10.91,170.89 14.98,170.89 ; JP1#5.2 87.59,169.86 88.61,170.89 92.68,170.89 ; JP1#23.2 35.79,118.06 36.81,119.09 40.88,119.09 ; 118.58,67.29 114.51,67.29 113.49,66.26 JP1#10.2 ; 66.78,144.99 62.71,144.99 61.69,143.96 JP1#7.2 ; JP1#9.2 61.69,169.86 62.71,170.89 66.78,170.89 ; 40.88,15.49 36.81,15.49 35.79,14.46 JP1#22.2 ; JP1#24.2 87.59,143.96 88.61,144.99 92.68,144.99 ; 14.98,119.09 10.91,119.09 9.89,118.06 JP1#17.2 ; JP1#25.2 61.69,14.46 62.71,15.49 66.78,15.49 ; JP1#18.2 9.89,14.46 10.91,15.49 14.98,15.49 ; 118.58,41.39 114.51,41.39 113.49,40.36 JP1#6.2 ; 66.78,41.39 62.71,41.39 61.69,40.36 JP1#8.2 ; JP1#31.2 9.89,40.36 10.91,41.39 14.98,41.39 ; JP1#28.2 87.59,66.26 88.61,67.29 92.68,67.29 ; JP1#29.2 113.49,143.96 114.51,144.99 118.58,144.99
  Bottom w0.559: v1(117.05,176.98) v1(118.58,176.98) 118.58,166.82 119.34,166.06 J3#32.5 ; v1(39.35,176.98) v1(40.88,176.98) 40.88,166.82 41.64,166.06 J3#11.5 ; J3#28.5 15.74,166.06 14.98,166.82 v1(14.98,176.98) v1(13.45,176.98) ; v1(117.05,73.38) v1(118.58,73.38) 118.58,63.22 119.34,62.46 J3#25.5 ; J3#4.5 93.44,114.26 92.68,115.02 v1(92.68,125.18) v1(91.15,125.18) ; v1(117.05,99.28) v1(118.58,99.28) 118.58,89.12 119.34,88.36 J3#6.5 ; v1(117.05,125.18) v1(118.58,125.18) 118.58,115.02 119.34,114.26 J3#7.5 ; J3#35.5 93.44,166.06 92.68,166.82 v1(92.68,176.98) v1(91.15,176.98) ; J3#27.5 119.34,36.56 118.58,37.32 v1(118.58,47.48) v1(117.05,47.48) ; v1(65.25,99.28) v1(66.78,99.28) 66.78,89.12 67.54,88.36 J3#14.5 ; J3#15.5 15.74,140.16 14.98,140.92 v1(14.98,151.08) v1(13.45,151.08) ; J3#2.5 15.74,10.66 14.98,11.42 v1(14.98,21.58) v1(13.45,21.58) ; v1(39.35,73.38) v1(40.88,73.38) 40.88,63.22 41.64,62.46 J3#30.5 ; v1(91.15,47.48) v1(92.68,47.48) 92.68,37.32 93.44,36.56 J3#13.5 ; v1(65.25,176.98) v1(66.78,176.98) 66.78,166.82 67.54,166.06 J3.5 ; J3#19.5 93.44,88.36 92.68,89.12 v1(92.68,99.28) v1(91.15,99.28) ; v1(117.05,21.58) v1(118.58,21.58) 118.58,11.42 119.34,10.66 J3#8.5 ; v1(65.25,21.58) v1(66.78,21.58) 66.78,11.42 67.54,10.66 J3#12.5 ; v1(39.35,21.58) v1(40.88,21.58) 40.88,11.42 41.64,10.66 J3#17.5 ; v1(13.45,125.18) v1(14.98,125.18) 14.98,115.02 15.74,114.26 J3#33.5 ; v1(39.35,47.48) v1(40.88,47.48) 40.88,37.32 41.64,36.56 J3#3.5 ; J3#18.5 93.44,10.66 92.68,11.42 v1(92.68,21.58) v1(91.15,21.58) ; v1(39.35,151.08) v1(40.88,151.08) 40.88,140.92 41.64,140.16 J3#23.5 ; v1(65.25,125.18) v1(66.78,125.18) 66.78,115.02 67.54,114.26 J3#10.5 ; v1(39.35,99.28) v1(40.88,99.28) 40.88,89.12 41.64,88.36 J3#21.5 ; J3#22.5 67.54,62.46 66.78,63.22 v1(66.78,73.38) v1(65.25,73.38) ; J3#16.5 93.44,140.16 92.68,140.92 v1(92.68,151.08) v1(91.15,151.08) ; J3#24.5 41.64,114.26 40.88,115.02 v1(40.88,125.18) v1(39.35,125.18) ; J3#9.5 67.54,36.56 66.78,37.32 v1(66.78,47.48) v1(65.25,47.48) ; J3#31.5 15.74,36.56 14.98,37.32 v1(14.98,47.48) v1(13.45,47.48) ; v1(13.45,99.28) v1(14.98,99.28) 14.98,89.12 15.74,88.36 J3#26.5 ; v1(91.15,73.38) v1(92.68,73.38) 92.68,63.22 93.44,62.46 J3#34.5 ; v1(13.45,73.38) v1(14.98,73.38) 14.98,63.22 15.74,62.46 J3#29.5 ; J3#5.5 119.34,140.16 118.58,140.92 v1(118.58,151.08) v1(117.05,151.08) ; v1(65.25,151.08) v1(66.78,151.08) 66.78,140.92 67.54,140.16 J3#20.5
